# Allegro board pc051c_toplevel_209edited.brd (continued)
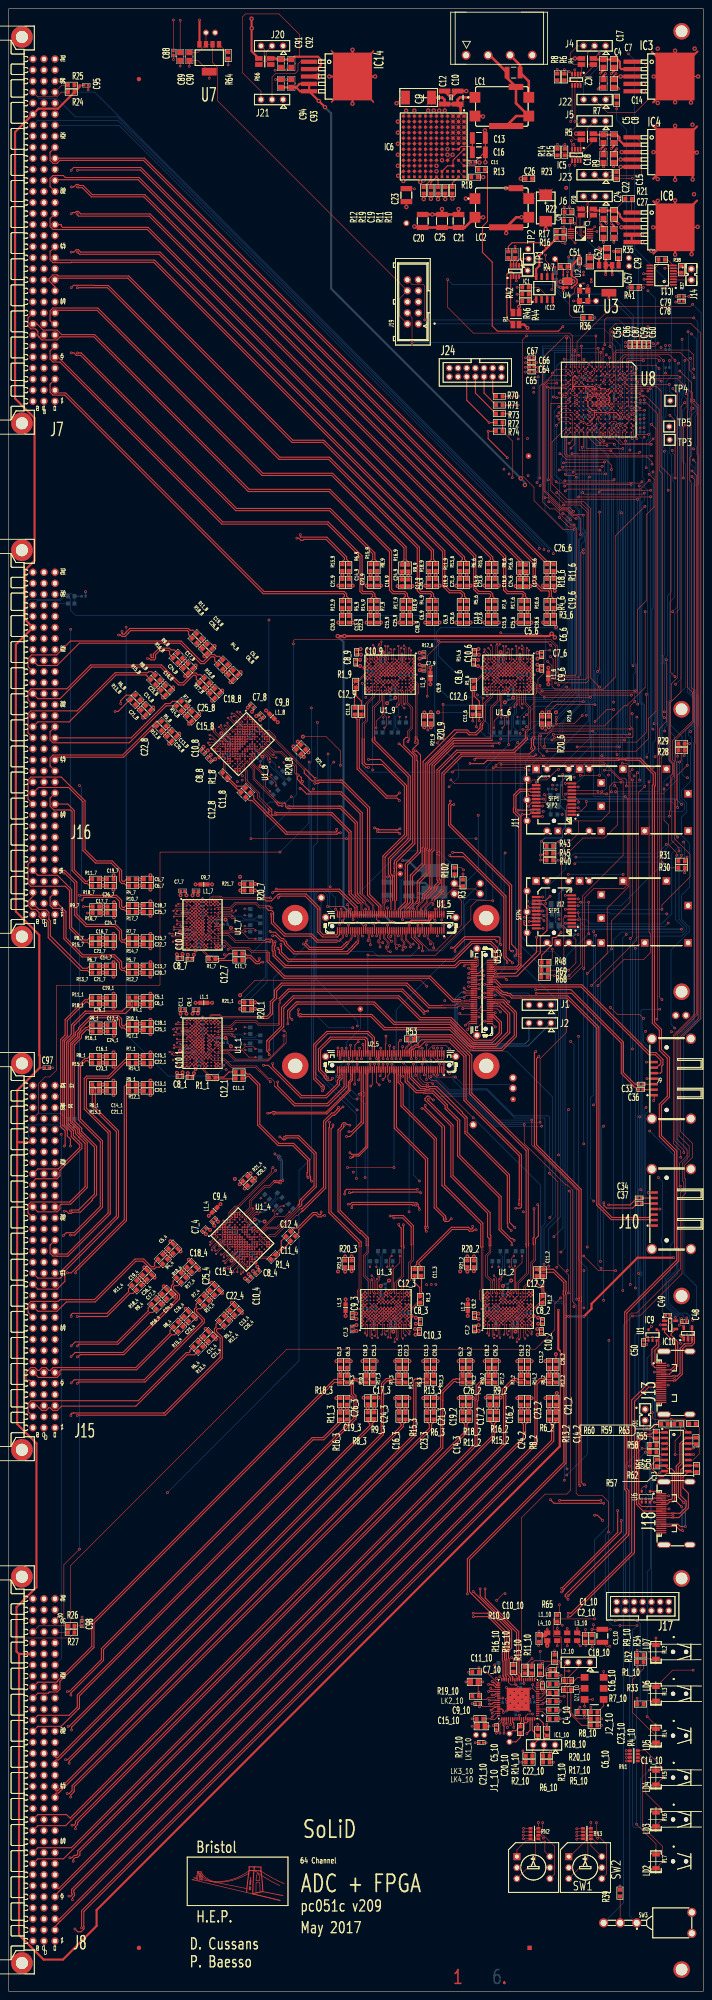
[diagram p0: board, top side]
## Routing (per net, layer and track width the routed paths; a pad name or vN(x,y) marks a point on that pad's centre or on a via; arc(x,y) is an arc through that point) (continued)
  L3 w0.25: v1(61.05,201.9) 60.15,201 60.15,194.16 60.45,193.86
OUT_P<41>: length 56.7
  TOP w0.13: U1_4.A8 51.4,178.22 51.37,178.22 51.29,178.3 51.28,178.3 51.1,178.48 51.1,179.07 52.31,180.28 52.85,180.28 61.47,188.9 v1(61.5,188.9)
  TOP w0.18: U2_5.88 78.75,217.69 v1(78.74,217.7)
  L3 w0.25: v1(61.5,188.9) 61.42,188.98 61.42,189.11 66.15,193.84 66.15,204.15 71.7,209.7 71.7,216 73.4,217.7 78.66,217.7 78.67,217.71 78.73,217.71 v1(78.74,217.7)
OUT_P<42>: length 48.3
  TOP w0.13: v4(56.91,180.78) 56.91,179.96 54.76,177.81 54.76,177.36 54.53,177.13 53.97,177.13 U1_4.D9
  TOP w0.18: U2_5.83 79.75,208.77 v1(79.7,208.72)
  L3 w0.13: 60.87,186.86 56.73,182.71 56.73,180.96 v4(56.91,180.78)
  L3 w0.25: 60.87,186.86 61.85,187.84 63,187.84 73,197.84 75.14,197.84 76.1,198.81 76.1,200.4 78.1,202.4 78.1,202.81 78.1,207.12 v1(79.7,208.72)
OUT_P<43>: length 63.6
  TOP w0.13: U1_4.C10 55.57,179.86 55.57,179.89 55.84,180.16 55.84,181.83 59.03,185.02 60.16,185.02 61.3,186.15
  TOP w0.18: U2_5.82 v1(80.25,214.57)
  TOP w0.25: 61.3,186.15 61.3,186.08 62.04,186.08 62.11,186.01 v1(62.61,186.01)
  L3 w0.25: v1(62.13,191.87) 62.13,192.18 64.95,195 64.95,204.72 70.72,210.49 70.72,217.27 72.32,218.87 79.13,218.87 80.25,217.75 80.25,217.32 80.19,217.27 80.19,216.8 80.25,216.75 v1(80.25,214.57)
  BOTTOM w0.25: v1(62.13,191.87) 62.13,191.36 62.18,191.31 62.42,191.31 62.69,191.05 62.69,186.87 62.58,186.76 62.58,186.05 v1(62.61,186.01)
OUT_P<44>: length 54.3
  TOP w0.13: U1_4.J7 v4(56.06,173)
  TOP w0.25: v1(77.8,196.7) 78.58,196.7 81.69,199.81 81.69,205.88 81.81,206 81.81,206.88 81.69,207 81.69,211.1 81.75,211.16 U2_5.75
  L3 w0.13: 65.98,182.04 57.89,173.95 56.88,173.95 56.81,174.01 56.44,174.01 56.06,173.63 v4(56.06,173)
  L3 w0.25: v1(77.8,196.7) 75.08,196.7 75.02,196.64 73.44,196.64 65.98,189.18 65.98,182.04
OUT_P<45>: length 80.5
  TOP w0.13: U1_4.K10 59.46,175.83 61.77,175.83 66.62,180.69 66.62,180.86
  TOP w0.18: v1(81.25,214.57) U2_5.78
  TOP w0.25: 66.62,180.86 66.87,181.1 67,181.1 67,181.98 67.29,182.27 70.34,185.32 70.34,192.68 66.66,196.36 64.1,196.36 63.68,195.94 63.22,195.94 62.56,196.6 v1(62.45,196.6)
  L3 w0.25: v1(62.45,196.6) 62.45,204.2 62.96,204.71 63.01,204.71 63.52,205.23 63.52,205.56 67,209.04 67,209.42 69.21,211.62 69.21,214.28 68.71,214.78 68.71,217.4 68.71,217.4 68.71,217.81 71.44,220.55 80.46,220.55 80.71,220.3 80.8,220.3 82.16,218.94 82.16,217.33 81.25,216.42 v1(81.25,214.57)
OUT_P<46>: length 58.8
  TOP w0.13: U1_4.L7 v4(56.63,172.43)
  TOP w0.25: v1(78.75,191.85) 79.26,191.85 79.31,191.9 79.31,192.16 79.36,192.21 80.67,192.21 82.69,194.23 82.69,211.09 82.75,211.15 U2_5.71
  L3 w0.13: v4(56.63,172.43) 58.04,172.43 60.38,174.77 62.07,174.77 67.41,180.11
  L3 w0.25: v1(78.75,191.85) 78.75,191.82 78.72,191.79 70.69,191.79 67.45,188.55 67.45,180.45 67.6,180.3 67.41,180.11
OUT_P<47>: length 74.6
  TOP w0.13: U1_4.M8 58.33,171.87 60.16,173.71 61.41,173.71 66.2,178.5 66.55,178.5 67.25,179.2
  TOP w0.25: v1(77,203.5) 76.89,203.5 76.11,202.72 76.11,202.62 75.08,201.59 74.6,201.59 73.03,200.01 73.03,184.82 67.8,179.59 67.7,179.59 67.61,179.5 67.55,179.5 67.25,179.2 ; v1(74.6,210.1) 74.6,209.97 74.27,209.64 73.27,209.64 72.94,209.97 72.94,210.05 72.61,210.39 72.61,210.62 71.35,211.87 71.35,216.81 73.81,219.26 74.1,219.56 82.15,219.56 82.39,219.31 82.44,219.31 82.69,219.06 82.69,216.51 82.75,216.45 U2_5.72
  L3 w0.25: v1(77,203.5) 76.69,203.5 75.68,204.51 75.68,208.02 75.37,208.33 75.37,208.34 74.6,209.11 v1(74.6,210.1)
OUT_P<48>: length 59.4
  TOP w0.13: U1_3.E8 v4(85.3,159.4)
  TOP w0.18: v1(84.25,213.33) U2_5.65
  L3 w0.13: v4(85.3,159.4) 84.44,160.26 84.44,160.66 83.48,161.62 83.48,162.36 80.38,165.46 80.38,171.3
  L3 w0.25: v1(84.25,213.33) 84.25,211.42 83.96,211.13 83.96,208.07 83.63,207.74 83.55,207.74 82.36,206.55 82.36,206.19 81.35,205.18 81.35,185.95 80.67,185.27 80.67,182.01 80.38,181.72 80.38,171.3
OUT_P<49>: length 84.3
  TOP w0.13: U1_3.A8 81.51,159 81.49,158.97 81.38,158.97 81.37,158.97 81.12,158.97 80.7,159.39 80.7,161.1 81.15,161.55 81.15,171.34 81.2,171.39
  TOP w0.25: U2_5.66 84.25,219.48 82.88,220.85 73.24,220.85 70.25,217.86 70.25,217.44 70.25,217.44 70.25,209.91 v1(72.16,208.01) ; v1(74.7,199.35) 74.7,198.9 74.25,198.45 74.25,179.36 81.2,172.41 81.2,171.39
  L3 w0.25: v1(74.7,199.35) 74.7,200.8 74.39,201.11 74.39,202.24 73.1,203.53 73.1,206.1 72.9,206.3 72.9,207.26 72.81,207.35 72.81,207.43 72.48,207.76 72.4,207.76 v1(72.16,208.01)
OUT_P<50>: length 55.2
  TOP w0.13: v4(83.6,164.7) 84.18,164.12 84.18,161.08 84.5,160.76 84.5,160.44 84.1,160.04 U1_3.D9
  TOP w0.18: U2_5.63 84.75,209.15 v1(85.35,208.55)
  L3 w0.13: 82.1,171.8 82.1,165.94 83.34,164.7 v4(83.6,164.7)
  L3 w0.25: v1(85.35,208.55) 85.35,208.05 84.1,206.8 84.1,186.89 82.1,184.89 82.1,171.8
OUT_P<51>: length 65.4
  TOP w0.13: 82.9,171.6 82.9,170 82.1,169.2 82.1,164.69 83.28,163.51 83.28,163.12 83.3,163.1 U1_3.C10
  TOP w0.25: 82.9,171.6 82.84,171.6 82.84,173.39 81.24,174.99 81.07,174.99 76.34,179.72 76.34,197.99 77.15,198.8 77.15,199.15 v1(77.3,199.3) ; U2_5.64 84.75,214.63 v1(84.74,214.62)
  L3 w0.25: v1(77.3,199.3) 77.81,199.3 78.37,199.86 78.45,199.86 78.65,200.06 78.65,206.56 80.17,208.08 80.31,208.08 81.81,209.57 81.81,214.39 82.31,214.9 82.31,215.45 82.36,215.5 83.7,215.5 84.19,215.01 84.35,215.01 v1(84.74,214.62)
OUT_P<52>: length 57.5
  TOP w0.13: U1_3.J7 v4(88.5,158.6)
  TOP w0.18: v1(86.2,209.8) 86.8,210.4 86.8,212.05 U2_5.55
  L3 w0.13: v4(88.5,158.6) 88.06,159.04 88.06,159.58 88.32,159.84 88.41,159.84 89.12,160.56 89.12,172
  L3 w0.25: v1(86.2,209.8) 86.1,209.7 86.1,208.95 86.36,208.69 86.36,207.58 85.64,206.86 85.56,206.86 85.1,206.4 85.1,206.32 84.95,206.17 84.95,176.17 89.12,172
OUT_P<53>: length 109.3
  TOP w0.13: 90.53,171.3 90.53,164.63 88.9,163 U1_3.K10
  TOP w0.18: U2_5.56 86.75,217.85 86.9,218 v1(86.9,219.8)
  TOP w0.25: v1(89.85,176.45) 89.85,176.17 90.41,175.6 90.41,171.42 90.53,171.3
  L3 w0.25: v1(86.9,219.8) 86.9,220.09 88.56,221.75 103.35,221.75 103.92,221.18 104.16,221.18 104.67,220.66 108.54,216.8 113.1,216.8 114.3,215.6 114.3,210.71 105.04,201.45 91.03,201.45 90.78,201.2 90.78,179.94 90.1,179.26 90.1,176.71 v1(89.85,176.45)
OUT_P<54>: length 57.8
  TOP w0.13: U1_3.L7 v4(89.3,158.6)
  TOP w0.18: U2_5.51 87.75,211.15 87.35,210.75 87.35,209.8 v1(87.75,209.4)
  L3 w0.13: v4(89.3,158.6) 90.3,159.6 90.3,162.9 91.6,164.2 91.6,171.73 91.47,171.73
  L3 w0.25: v1(87.75,209.4) 87.72,209.37 87.72,204.62 86.75,203.65 86.75,176.45 91.47,171.73
OUT_P<55>: length 104.6
  TOP w0.13: U1_3.M8 90.9,159.4 90.9,162 92.5,163.6 92.5,167.5 93.2,168.2 93.2,171.8
  TOP w0.18: v1(87.75,217.6) U2_5.52
  TOP w0.25: v1(87.85,178.4) 88.36,178.4 88.47,178.51 90.89,178.51 93.2,176.2 93.2,171.8
  L3 w0.25: v1(87.75,217.6) 87.75,217.77 87.69,217.83 87.69,218.32 87.75,218.38 87.75,218.99 89.41,220.65 102.94,220.65 106.55,217.04 106.55,214.74 106.2,214.39 106.2,210.74 106.94,210 106.94,204.79 104.6,202.45 89.65,202.45 89.4,202.2 89.4,179.95 v1(87.85,178.4)
OUT_P<56>: length 68.1
  TOP w0.13: U1_2.E8 v4(113.45,159.4)
  TOP w0.25: U2_5.45 89.25,211.36 89.31,211.3 89.31,198.8 96.5,191.61 96.5,175.91 96.45,175.86 v1(96.45,175.78)
  L3 w0.13: v4(113.45,159.4) 112.59,160.26 112.59,160.66 111.63,161.62 111.63,162.36 108.53,165.46 108.53,171.3
  L3 w0.25: 108.53,171.3 108.49,171.34 108.49,171.81 104.52,175.78 v1(96.45,175.78)
OUT_P<57>: length 93.6
  TOP w0.13: U1_2.A8 109.66,159 109.64,158.97 109.53,158.97 109.52,158.97 109.27,158.97 108.85,159.39 108.85,161.1 109.23,161.48 109.23,171.3
  TOP w0.18: v1(89.25,214.57) U2_5.46
  TOP w0.25: 109.23,171.3 109.23,176.72 100.4,185.55 100.4,198.95 95.95,203.4 v1(95.95,203.85)
  L3 w0.25: v1(95.95,203.85) 99.9,203.85 105.3,209.25 105.3,216.8 102.35,219.75 90.1,219.75 89.35,219 89.35,214.67 v1(89.25,214.57)
OUT_P<58>: length 65.4
  TOP w0.13: U1_2.D9 112.25,160.04 112.64,160.44 112.64,160.76 112.33,161.08 112.33,164.12 v4(111.75,164.7)
  TOP w0.25: U2_5.43 89.75,211.03 89.69,210.98 89.69,209.15 90.35,208.49 90.35,203.69 90.64,203.4 98,196.04 98,180.29 100.14,178.14 100.14,177.47 100.47,177.14 101.29,177.14 v1(101.93,177.77)
  L3 w0.13: 110.25,170.97 110.25,165.94 111.49,164.7 v4(111.75,164.7)
  L3 w0.25: v1(101.93,177.77) 102.1,177.6 102.13,177.6 102.18,177.55 102.18,177.45 102.43,177.2 104.68,177.2 110.08,171.8 110.25,171.8 110.37,171.68 110.37,171.09 110.25,170.97
OUT_P<59>: length 86.5
  TOP w0.13: U1_2.C10 111.45,163.1 111.43,163.12 111.43,163.51 110.25,164.69 110.25,169.2 111.05,170 111.05,171.6
  TOP w0.18: v1(90.25,214.57) U2_5.42
  TOP w0.25: v1(96.65,205.25) 96.65,205.02 102.35,199.32 102.35,187.7 110.9,179.15 110.9,174.05 111.05,173.9 111.05,171.6
  L3 w0.25: v1(96.65,205.25) 97.25,205.85 99.3,205.85 104.3,210.85 104.3,216.09 101.99,218.4 90.8,218.4 90.19,217.79 90.19,216.8 90.25,216.75 v1(90.25,214.57)
OUT_P<60>: length 68.1
  TOP w0.13: U1_2.J7 v4(116.65,158.6)
  TOP w0.25: U2_5.37 91.25,211.39 91.31,211.33 91.31,209.29 93.83,206.77 95.55,206.77 95.65,206.66 97.63,206.66 100.51,203.78 100.51,203.12 100.81,202.82 103.4,200.23 103.4,192.2 112.94,182.66 112.94,175.24 115.9,172.28 v1(115.9,171.75)
  L3 w0.13: v4(116.65,158.6) 116.2,159.04 116.2,159.58 116.47,159.84 116.56,159.84 117.2,160.49 117.2,171.22 116.43,171.22
  L3 w0.25: 116.43,171.22 v1(115.9,171.75)
OUT_P<61>: length 80.3
  TOP w0.13: U1_2.K10 117.05,163 119.3,165.25 119.3,171.22
  TOP w0.15: 93.35,218.6 93.35,218.49 93.2,218.34 92.89,218.34 92.74,218.19 92.6,218.19 92.34,217.93 92.34,217.78 91.75,217.18 U2_5.36
  TOP w0.25: 119.3,171.22 119.2,171.32 119.2,171.85 119.25,171.9 119.18,171.97 119.18,193.46 106.46,206.18 106.17,206.47 106.17,215.23 101.8,219.6 93.53,219.6 93.35,219.42 R53.2 93.35,218.6
OUT_P<62>: length 68.9
  TOP w0.13: U1_2.L7 v4(117.45,158.6)
  TOP w0.25: U2_5.33 92.25,211.16 92.31,211.1 92.31,210.26 94.87,207.7 95.86,207.7 96.01,207.54 96.89,207.54 97.04,207.7 98.2,207.7 105.1,200.8 105.1,197.86 105.1,197.45 114.85,187.7 114.85,176.74 114.95,176.64 114.95,175.85 v1(115.75,175.05)
  L3 w0.13: v4(117.45,158.6) 118.45,159.6 118.45,162.9 119.75,164.2 119.75,171.8
  L3 w0.25: 119.75,171.8 119,171.8 v1(115.75,175.05)
OUT_P<63>: length 88
  TOP w0.13: U1_2.M8 119.05,159.4 119.05,162 120.65,163.6 120.65,167.5 121.35,168.2 121.35,172.13 121.32,172.15
  TOP w0.25: v1(92.75,214.6) U2_5.32 92.75,216.54 92.85,216.64 92.85,216.66 92.99,216.8 93.31,216.8 93.75,217.24 94.48,217.24 94.59,217.35 94.7,217.35 95.8,218.45 101.49,218.45 104.85,215.09 104.85,204.99 117.6,192.24 117.6,182.15 117.55,182.1 v1(117.55,181.05) ; 121.32,172.15 121.32,173.12 122,173.79 122,180.85 v1(121.85,181)
  L3 w0.25: v1(121.85,181) 121.8,181.05 v1(117.55,181.05)
  BOTTOM w0.25: v1(92.75,214.6) 92.75,215.16 92.7,215.21 R54.2
PGOOD: length 143
  TOP w0.13: v1(139.85,368.25) 139.85,371.9 139.6,372.15 138.8,372.15 U8.F3 ; 142.65,417.1 R9.1
  TOP w0.15: 142.65,417.1 142.7,417.15 v1(143.65,417.15)
  TOP w0.25: v1(127.65,383.04) 126.61,382 112.57,382 111.38,383.19 111.38,397.88 109.13,400.13 109.13,406.11 110.28,407.26 110.28,418.62 R13.1
  L4 w0.13: v1(139.85,368.25) 140.35,368.75 146.72,368.75 v1(147.24,368.23) ; v1(147.24,383.04) 146.83,383.45 128.06,383.45 v1(127.65,383.04)
  L4 w0.15: v1(147.24,383.04) 148.1,383.91 148.1,398.05 147.2,398.95 147.2,413.6 v1(143.65,417.15)
  BOTTOM w0.13: v1(147.24,368.23) 147.24,380.15 147.51,380.43 147.51,382.77 v1(147.24,383.04)
PGOOD3V3: length 72.4
  TOP w0.13: U8.B7 142.9,368.25 v1(145.9,368.25) ; R7.1 v1(140.05,433.15)
  BOTTOM w0.13: v1(145.9,368.25) 145.61,368.54 145.61,380.56 145.75,380.69 145.75,381.16 145.12,381.79 145.12,398.73 142.35,401.5 142.35,428.32 140.05,430.62 v1(140.05,433.15)
PGOOD_FROM_FPGA: length 187.1
  TOP w0.13: v1(141.95,370.2) 141.95,369.2 U8.B6
  TOP w0.18: v1(95.3,239.4) 95.3,240.66 93.38,242.58 93.38,243.97 U1_5.29
  L4 w0.13: v1(141.95,370.2) 143.95,370.2 144,370.25 v1(144.86,370.25) ; v1(147,283.97) 144.6,283.97 142.86,282.22 142.86,280.13 141.83,279.1 140.8,279.1 140.53,278.83 140.53,257.99 v1(141.53,256.99) ; LK2.1 110.69,256.99 v1(128.91,256.99)
  BOTTOM w0.13: v1(95.3,239.4) 99.85,239.4 104.8,244.35 104.8,251.1 LK2.1 ; v1(144.86,370.25) 144.86,358.25 145.95,357.15 145.95,348.4 146.35,348.01 146.35,346.19 147.1,345.44 147.1,298.91 147.37,298.64 147.37,284.99 147,284.62 v1(147,283.97) ; v1(128.91,256.99) v1(141.53,256.99)
POR_I: length 32.4
  TOP w0.129: v1(132.41,382.55) 132.45,382.59 R36.1 129.86,385.1 129.15,385.81
  TOP w0.13: U8.D3 v1(140.85,372.2) ; 129.15,385.81 129.15,389.72 130.4,390.97 130.4,391.85 131.53,392.98 U2.2
  BOTTOM w0.13: v1(140.85,372.2) 140.85,378.79 137.09,382.55 v1(132.41,382.55)
POWER_SWITCH_HIGH_OFF: length 418.8
  TOP w0.13: v1(138.5,378.47) 138.5,382.47 139.83,383.8 157.13,383.8 159.3,381.63 159.3,223.75 154.8,219.25 154.8,197.8 157.5,195.1 157.5,191.9 155.72,190.12 155.72,187.13 155.96,186.89 155.96,183.66 155.1,182.8 155.1,165.15 145.35,155.4 v1(143.67,155.4) ; v1(136.95,370.25) 136.95,370.95 137.25,371.25 138.9,371.25 U8.E3
  BOTTOM w0.13: v1(143.67,155.4) 141.6,153.33 141.6,90.54 141.06,90.01 141.06,87.19 141.6,86.66 141.6,20.32 SW3.3 ; v1(136.95,370.25) 137.95,370.25 139.26,371.55 139.26,377.71 v1(138.5,378.47)
POWER_SWITCH_HIGH_ON: length 381.3
  TOP w0.13: v1(142.94,120.84) 143.07,120.97 143.07,155.69 143.46,156.08 144.63,156.08 154.7,166.15 154.7,183.72 155.45,184.47 155.45,186.25 155.15,186.55 155.15,190.55 156.73,192.13 156.73,194.52 154.4,196.85 154.4,219.4 158.99,223.99 158.99,364.86 v1(157.8,366.05) ; U8.C3 141.9,371.25 v1(141.9,371.2)
  L4 w0.13: v1(141.9,371.2) 141.45,370.76 141.45,369.74 141.79,369.41 148.1,369.41 149.36,368.15 154.25,368.15 155.4,367 156.85,367 v1(157.8,366.05)
  BOTTOM w0.13: SW3.1 143.06,17.34 143.06,120.72 v1(142.94,120.84)
PSG: length 137.1
  TOP w0.129: 99.81,425.9 IC6.E5 ; IC6.E5 100.31,426.4 ; IC6.E5 99.81,426.91 ; IC6.E5 99.3,426.4 ; IC6.F4 99.04,427.68 ; IC6.F4 98.03,427.68 ; IC6.F4 98.53,428.18 ; IC6.F4 98.53,427.17 ; IC6.H11 96,419.29 ; IC6.H11 96.5,418.79 ; IC6.H11 96,418.28 ; 97.27,424.63 IC6.G6 ; IC6.G6 97.27,425.64 ; IC6.G6 97.77,425.13 ; IC6.G6 96.76,425.13 ; 99.3,422.6 IC6.E8 ; IC6.E8 99.81,422.09 ; IC6.E8 99.81,423.1 ; IC6.E8 100.31,422.6 ; 100.57,431.49 IC6.D1 ; IC6.D1 101.08,431.99 ; IC6.D1 101.58,431.49 ; IC6.D1 101.08,430.98 ; 99.81,430.98 IC6.E1 ; IC6.E1 100.31,431.49 ; IC6.E1 99.81,431.99 ; IC6.E1 99.3,431.49 ; IC6.G3 97.27,429.45 ; IC6.G3 97.27,428.44 ; IC6.G3 97.77,428.94 ; IC6.G3 96.76,428.94 ; IC6.G9 97.77,421.32 ; IC6.G9 97.27,421.83 ; IC6.G9 96.76,421.32 ; IC6.G9 97.27,420.82 ; IC6.H7 96,424.37 ; IC6.H7 96.5,423.87 ; IC6.H7 96,423.36 ; IC6.F3 98.53,429.45 ; IC6.F3 98.03,428.94 ; IC6.F3 98.53,428.44 ; IC6.F3 99.04,428.94 ; 99.3,425.13 IC6.E6 ; IC6.E6 99.81,425.64 ; IC6.E6 100.31,425.13 ; IC6.E6 99.81,424.63 ; IC6.E7 99.81,424.37 ; IC6.E7 99.3,423.87 ; IC6.E7 100.31,423.87 ; IC6.E7 99.81,423.36 ; IC6.H9 96,421.83 ; IC6.H9 96,420.82 ; IC6.H9 96.5,421.32 ; 99.81,429.71 IC6.E2 ; IC6.E2 99.81,430.72 ; IC6.E2 99.3,430.21 ; IC6.E2 100.31,430.21 ; IC6.H4 96,428.18 ; IC6.H4 96,427.17 ; IC6.H4 96.5,427.68 ; IC6.G8 97.27,423.1 ; IC6.G8 97.77,422.6 ; IC6.G8 97.27,422.09 ; IC6.G8 96.76,422.6 ; IC6.E4 100.31,427.68 ; IC6.E4 99.3,427.68 ; IC6.E4 99.81,427.17 ; IC6.E4 99.81,428.18 ; IC6.G7 97.77,423.87 ; IC6.G7 97.27,424.37 ; IC6.G7 96.76,423.87 ; IC6.G7 97.27,423.36 ; 96.76,426.4 IC6.G5 ; IC6.G5 97.27,425.9 ; IC6.G5 97.77,426.4 ; IC6.G5 97.27,426.91 ; IC6.G1 97.77,431.49 ; IC6.G1 97.27,430.98 ; IC6.G1 96.76,431.49 ; IC6.G1 97.27,431.99 ; 96.76,420.06 IC6.G10 ; IC6.G10 97.77,420.06 ; IC6.G10 97.27,420.56 ; IC6.G10 97.27,419.55 ; IC6.G4 97.77,427.68 ; IC6.G4 96.76,427.68 ; IC6.G4 97.27,428.18 ; IC6.G4 97.27,427.17 ; 96,429.71 IC6.H2 ; IC6.H2 96,430.72 ; IC6.H2 96.5,430.21 ; IC6.F1 99.04,431.49 ; IC6.F1 98.03,431.49 ; IC6.F1 98.53,430.98 ; IC6.F1 98.53,431.99 ; IC6.F5 99.04,426.4 ; IC6.F5 98.53,425.9 ; IC6.F5 98.53,426.91 ; IC6.F5 98.03,426.4 ; IC6.F8 98.53,423.1 ; IC6.F8 99.04,422.6 ; IC6.F8 98.03,422.6 ; IC6.F8 98.53,422.09 ; IC6.E3 100.31,428.94 ; IC6.E3 99.3,428.94 ; IC6.E3 99.81,429.45 ; IC6.E3 99.81,428.44 ; IC6.H10 96.5,420.06 ; IC6.H10 96,420.56 ; IC6.H10 96,419.55 ; IC6.D9 101.08,421.83 ; IC6.D9 101.58,421.32 ; IC6.D9 100.57,421.32 ; IC6.D9 101.08,420.82 ; IC6.D4 101.58,427.68 ; IC6.D4 101.08,427.17 ; IC6.D4 100.57,427.68 ; IC6.D4 101.08,428.18 ; 100.57,426.4 IC6.D5 ; IC6.D5 101.58,426.4 ; IC6.D5 101.08,426.91 ; IC6.D5 101.08,425.9 ; IC6.F7 99.04,423.87 ; IC6.F7 98.53,424.37 ; IC6.F7 98.03,423.87 ; IC6.F7 98.53,423.36 ; 96.76,418.79 IC6.G11 ; IC6.G11 97.27,418.28 ; IC6.G11 97.77,418.79 ; IC6.G11 97.27,419.29 ; 101.08,428.44 IC6.D3 ; IC6.D3 101.08,429.45 ; IC6.D3 100.57,428.94 ; IC6.D3 101.58,428.94 ; 97.27,429.71 IC6.G2 ; IC6.G2 97.77,430.21 ; IC6.G2 97.27,430.72 ; IC6.G2 96.76,430.21 ; IC6.H6 96.5,425.13 ; IC6.H6 96,424.63 ; IC6.H6 96,425.64 ; IC6.D6 101.08,425.64 ; IC6.D6 101.58,425.13 ; IC6.D6 100.57,425.13 ; IC6.D6 101.08,424.63 ; 96,422.09 IC6.H8 ; IC6.H8 96,423.1 ; IC6.H8 96.5,422.6 ; IC6.D2 101.08,430.72 ; IC6.D2 101.08,429.71 ; IC6.D2 101.58,430.21 ; IC6.D2 100.57,430.21 ; IC6.H5 96,426.91 ; IC6.H5 96,425.9 ; IC6.H5 96.5,426.4 ; IC6.F2 99.04,430.21 ; IC6.F2 98.53,430.72 ; IC6.F2 98.53,429.71 ; IC6.F2 98.03,430.21 ; IC6.H1 96.5,431.49 ; IC6.H1 96,431.99 ; IC6.H1 96,430.98 ; 98.53,424.63 IC6.F6 ; IC6.F6 99.04,425.13 ; IC6.F6 98.03,425.13 ; IC6.F6 98.53,425.64 ; 98.53,420.82 IC6.F9 ; IC6.F9 98.03,421.32 ; IC6.F9 99.04,421.32 ; IC6.F9 98.53,421.83 ; IC6.H3 96.5,428.94 ; IC6.H3 96,429.45 ; IC6.H3 96,428.44
  TOP w0.13: v3(90.92,416.56) IC6.M12 ; v3(94.8,416.3) 95.7,416.3 96,416.6 IC6.H12 96,418.27 ; R18.1 v3(109.3,417.45) ; v3(89.35,434.45) 89.95,435.05 89.95,435.51 90.19,435.75 C9.2 ; v3(102.25,422.6) 102.25,422.5 IC6.D9 ; v3(109.25,431.4) 109.15,431.5
  TOP w0.25: v3(109.7,428.2) 109.8,428.1 C13.1 C16.1 ; C16.1 109.6,423.15 C11.1 108.35,420.9 v3(108.45,420.8) ; C16.1 v3(109.8,420.85) ; v3(91.6,410.56) C23.1 ; R19.1 v3(97.25,412.45) ; R10.1 v3(102.2,412.5)
  TOP w0.6: v3(109.28,408.2) LC2.3 105.06,405.86 C21.1 C25.1 C20.1 95.27,405.95 93.59,405.95 v3(93.45,406.08) ; v3(105.4,437.25) C10.1 102.21,436.06 v3(101.9,436.06) 101.9,436.12 101.77,436.25 101.4,436.25 C12.1 ; 109.15,431.5 LC1.3
  vias: v3(96.63,432.75) v3(97.9,432.75) v3(98.53,420.06) v3(98.53,418.79) v3(99.17,432.75) v3(99.81,421.32) v3(100.44,432.75) v3(101.08,423.87) v3(101.08,422.6)
RESIN: length 229
  TOP w0.13: U8.B5 142.9,369.25 149.23,369.25 150.26,368.21 150.26,350.84 152.45,348.65 152.45,303.5 v1(153.47,302.48) ; U2_5.17 v1(96.25,209.8)
  L4 w0.13: v1(96.25,209.8) 115.75,209.8 LK7.1 140.61,210.2 146.21,215.8 146.21,221.2 146.41,221.4 151.92,221.4 152.05,221.53 152.05,234.35 157.98,240.28 157.98,276.12 155.5,278.6 155.5,280 157.98,282.48 157.98,297.97 v1(153.47,302.48)
SENSE_1: length 2.6
  TOP w0.13: U1_1.C5 v4(43.85,222.15)
  BOTTOM w0.13: R19_1.2 44.2,222.5 v4(43.85,222.15) 43.9,222.15 R2_1.1
SENSE_2: length 2.6
  TOP w0.13: U1_2.C5 v4(111.05,156.2)
  BOTTOM w0.13: R19_2.2 110.7,156.55 v4(111.05,156.2) 111.05,156.25 R2_2.1
SENSE_3: length 2.6
  TOP w0.13: U1_3.C5 v4(82.9,156.2)
  BOTTOM w0.13: R19_3.2 82.55,156.55 v4(82.9,156.2) 82.9,156.25 R2_3.1
SENSE_4: length 2.6
  TOP w0.13: U1_4.C5 v4(50.41,175.26)
  BOTTOM w0.13: R19_4.2 50.41,175.76 v4(50.41,175.26) 50.44,175.3 R2_4.1
SENSE_6: length 2.6
  TOP w0.13: U1_6.C5 v4(119,303.75)
  BOTTOM w0.13: R2_6.1 119,303.7 v4(119,303.75) 119.35,303.4 R19_6.2
SENSE_7: length 2.6
  TOP w0.13: U1_7.C5 v4(43.85,249.4)
  BOTTOM w0.13: R2_7.1 43.9,249.4 v4(43.85,249.4) 44.2,249.75 R19_7.2
SENSE_8: length 2.6
  TOP w0.13: U1_8.C5 v4(56.11,290.39)
  BOTTOM w0.13: R2_8.1 56.15,290.36 v4(56.11,290.39) 56.61,290.39 R19_8.2
SENSE_9: length 2.6
  TOP w0.13: U1_9.C5 v4(91.85,303.75)
  BOTTOM w0.13: R2_9.1 91.85,303.7 v4(91.85,303.75) 92.2,303.4 R19_9.2
SERV_SCL: length 154.7
  TOP w0.13: v1(129.45,430.25) 129.78,430.57 IC2.5 ; IC5.5 129.78,420.77 v1(129.15,420.15) ; v1(130.8,404.65) 130.5,404.95 ; 130.5,404.95 IC7.7 ; 130.5,404.95 130.5,405.3 130.85,405.65 130.85,408.15 R23.1 129.15,409.85 v1(129.15,410.6) ; v1(124.4,396.5) 124.03,396.13 IC12.6 ; v1(140.95,363.2) 141.85,363.2 U8.B11
  TOP w0.25: TP1.1 118.35,397.15 117.58,397.15 ; v1(146.35,393.95) 147.7,393.95 IC11.14
  L3 w0.13: v1(129.45,430.25) 129.1,429.9 129.1,420.2 v1(129.15,420.15) ; 124.7,396.8 v1(124.4,396.5)
  L3 w0.25: TP1.1 123.85,395.95 v1(124.4,396.5) 124.4,391.1 125.4,390.1 136.75,390.1 141.15,394.5 145.8,394.5 v1(146.35,393.95) ; 124.7,396.8 124.7,399.65 129.7,404.65 v1(130.8,404.65)
  L4 w0.13: v1(137.9,374.38) 138.44,373.85 144.14,373.85 v1(144.6,373.39)
  BOTTOM w0.13: v1(129.15,420.15) v1(129.15,410.6) ; v1(144.6,373.39) 144.6,381.95 144.8,382.14 144.8,391.35 132.69,403.46 131.99,403.46 v1(130.8,404.65) ; v1(137.9,374.38) 137.9,373.1 138.35,372.65 138.35,371.84 138.12,371.62 135.77,371.62 135.06,370.91 135.06,369.85 135.15,369.75 136.11,369.75 136.4,369.46 136.4,367.86 136.4,367.85 136.4,367.04 136.69,366.75 137.27,366.75 137.4,366.62 137.4,364.88 137.53,364.75 138.85,364.75 138.85,364.75 139.3,364.75 140.85,363.2 v1(140.95,363.2)
SERV_SDA: length 133.4
  TOP w0.13: IC5.6 v1(130.43,420.15) ; IC2.6 v1(130.43,430.25) ; v1(123.65,399.5) 123.65,398.3 125.31,396.64 IC12.5 125.31,391.75 v1(125.1,391.55) ; U8.B12 142.8,363.15 143.93,363.15 v1(144.03,363.04) ; v1(130.35,406.8) 129.75,407.4 R22.1 129.45,405.5 IC7.6
  TOP w0.25: IC11.12 v1(146.23,395.22) ; IC1.6 116.92,397.77 117.8,398.65 TP2.1
  L3 w0.25: v1(146.23,395.22) 140.87,395.22 136.9,391.25 129.05,391.25 128.45,390.65 126.68,390.65 125.78,391.55 v1(125.1,391.55) ; v1(130.43,430.25) 130.43,428.25 129.94,427.76 129.94,427.14 130.5,426.58 130.5,425.44 130.71,425.23 130.71,424.77 130.65,424.71 130.65,420.37 v1(130.43,420.15) 130.43,406.88 v1(130.35,406.8) 130.35,406.2 v1(123.65,399.5) 122.8,398.65 TP2.1
  BOTTOM w0.13: v1(125.1,391.55) 125.78,391.55 129.37,387.96 140.37,387.96 143.6,384.72 143.6,382.72 143.54,382.66 143.54,382.04 143.6,381.98 143.6,363.47 v1(144.03,363.04)
SFP0_RATE_SELECT: length 32.5
  TOP w0.13: v1(154.1,284.2) 154.1,285.4 R28.2
  TOP w0.18: v1(137.75,275.53) 137.17,275.53 137.17,275.53 136.38,275.53 136.38,275.53 J11.7
  BOTTOM w0.13: v1(154.1,284.2) 154,284.1 154,278.8 150.73,275.53 v1(137.75,275.53)
SFP0_TX_DISABLE: length 42.6
  TOP w0.13: R29.1 154.89,286.46 154.89,283.24 v1(154.5,282.85)
  TOP w0.18: J11.3 v1(131.18,272.33)
  BOTTOM w0.13: v1(154.5,282.85) 154.5,274.35 155.67,273.18 155.67,271.92 155.25,271.5 132.01,271.5 v1(131.18,272.33)
SFP1_RATE_SELECT: length 28.2
  TOP w0.13: v1(151.8,258.5) R30.2
  TOP w0.18: J12.7 v1(131.18,249.78)
  BOTTOM w0.13: v1(131.18,249.78) 141.03,249.78 149.75,258.5 v1(151.8,258.5)
SFP1_TX_DISABLE: length 44.3
  TOP w0.13: v1(154.97,261.4) 154.97,261.12 154.25,260.4 R31.1
  TOP w0.18: J12.3 v1(131.18,246.58)
  BOTTOM w0.13: v1(131.18,246.58) 133.07,246.58 134.05,245.6 150.4,245.6 152.75,247.95 152.75,261.79 154.11,263.15 154.75,263.15 154.97,262.93 v1(154.97,261.4)
SFP_LOS<0>: length 131.5
  TOP w0.13: J11.8 135.52,276.33 v1(135.75,276.1)
  TOP w0.18: U2_5.21 v1(95.25,213.4)
  L4 w0.13: v1(135.75,276.1) 135.75,276 135.2,275.45 135.2,271 138,268.2 138,245.8 v1(135.2,243) ; v1(95.25,213.4) 94.9,213.05 94.9,204.78 95.03,204.65 97.55,204.65 98.49,203.7 134.45,203.7 v1(134.7,203.95)
  BOTTOM w0.13: v1(135.2,243) 135.2,204.45 v1(134.7,203.95)
SFP_LOS<1>: length 98.7
  TOP w0.13: U2_5.26 94.25,216.47 94.78,217 v1(95.25,217) ; v1(122.4,199.97) 122.4,214.6 128.45,220.65 128.45,226.3 v1(128.9,226.75) ; v1(133.6,243.35) v1(133.6,250.6) ; J12.8 129.72,250.6 v1(131.75,250.6)
  BOTTOM w0.13: v1(133.6,243.35) 128.45,238.2 128.45,227.2 v1(128.9,226.75) ; v1(133.6,250.6) v1(131.75,250.6) ; v1(95.25,217) 95.25,214.35 96.75,212.85 96.75,210.25 97.04,209.95 97.5,209.95 100.85,206.6 105.95,206.6 112.58,199.97 120.27,199.97 120.29,199.95 120.71,199.95 120.73,199.97 v1(122.4,199.97)
SFP_PRESENT<0>: length 168.8
  TOP w0.13: v1(152.2,270.4) 152.2,271.58 152.49,271.87 152.49,279.65 152.86,280.02 152.86,282.49 152.61,282.73 152.61,282.76 152.14,283.23 152.14,296.63 152.61,297.1 152.61,300.81 154,302.2 154,367.77 v1(152.97,368.8) ; J11.6 130.48,274.73 131.28,273.93 v1(131.28,273.63) ; v1(126.6,260.25) R40.1 ; U8.D2 140.85,373.2 140.85,375.7 141.85,376.7 152.05,376.7 v1(153.5,375.25)
  L3 w0.13: v1(131.28,273.63) 131.42,273.63 132.1,272.95 132.1,265.75 v1(126.6,260.25)
  BOTTOM w0.13: v1(152.97,368.8) 153.5,369.33 v1(153.5,375.25) ; v1(152.2,270.4) 152.03,270.23 130.9,270.23 130,271.13 130,272.34 v1(131.28,273.63)
SFP_PRESENT<1>: length 185.5
  TOP w0.13: v1(156.05,367.65) 156.3,367.4 156.3,300.1 157.5,298.9 157.5,292.35 152.95,287.8 152.95,283.35 153.45,282.85 153.45,274.2 153.34,274.09 153.34,265.23 156.95,261.62 156.95,256.46 150.47,249.98 v1(150.47,248.98) ; v1(125.2,239.8) 125.2,237.7 R48.1 ; U8.G3 v1(137.85,372.2)
  TOP w0.18: J12.6 v1(128.22,248.98)
  L3 w0.13: v1(128.22,248.98) 128.22,248.92 127.88,248.58 127.88,247.75 127.72,247.59 127.72,247.17 127.88,247.01 127.88,246.15 127.72,245.99 127.72,245.57 127.88,245.41 127.88,243.29 126.99,242.4 125.36,242.4 125.2,242.24 v1(125.2,239.8)
  L4 w0.13: v1(156.05,367.65) 156.05,368.35 152.7,371.7 138.35,371.7 v1(137.85,372.2)
  BOTTOM w0.13: v1(150.47,248.98) v1(128.22,248.98)
